# Altium PCB PCB for invertor.PcbDoc (part 2 of 2)
Units mm, origin at the board's own origin, x right, y up, seen from the top; angles counter-clockwise.
Board outline 300 x 145 mm, 2 copper layers (Top Layer, Bottom Layer), stack 1.642 mm thick; 246 components, 87 nets, 780 pads, 936 vias.
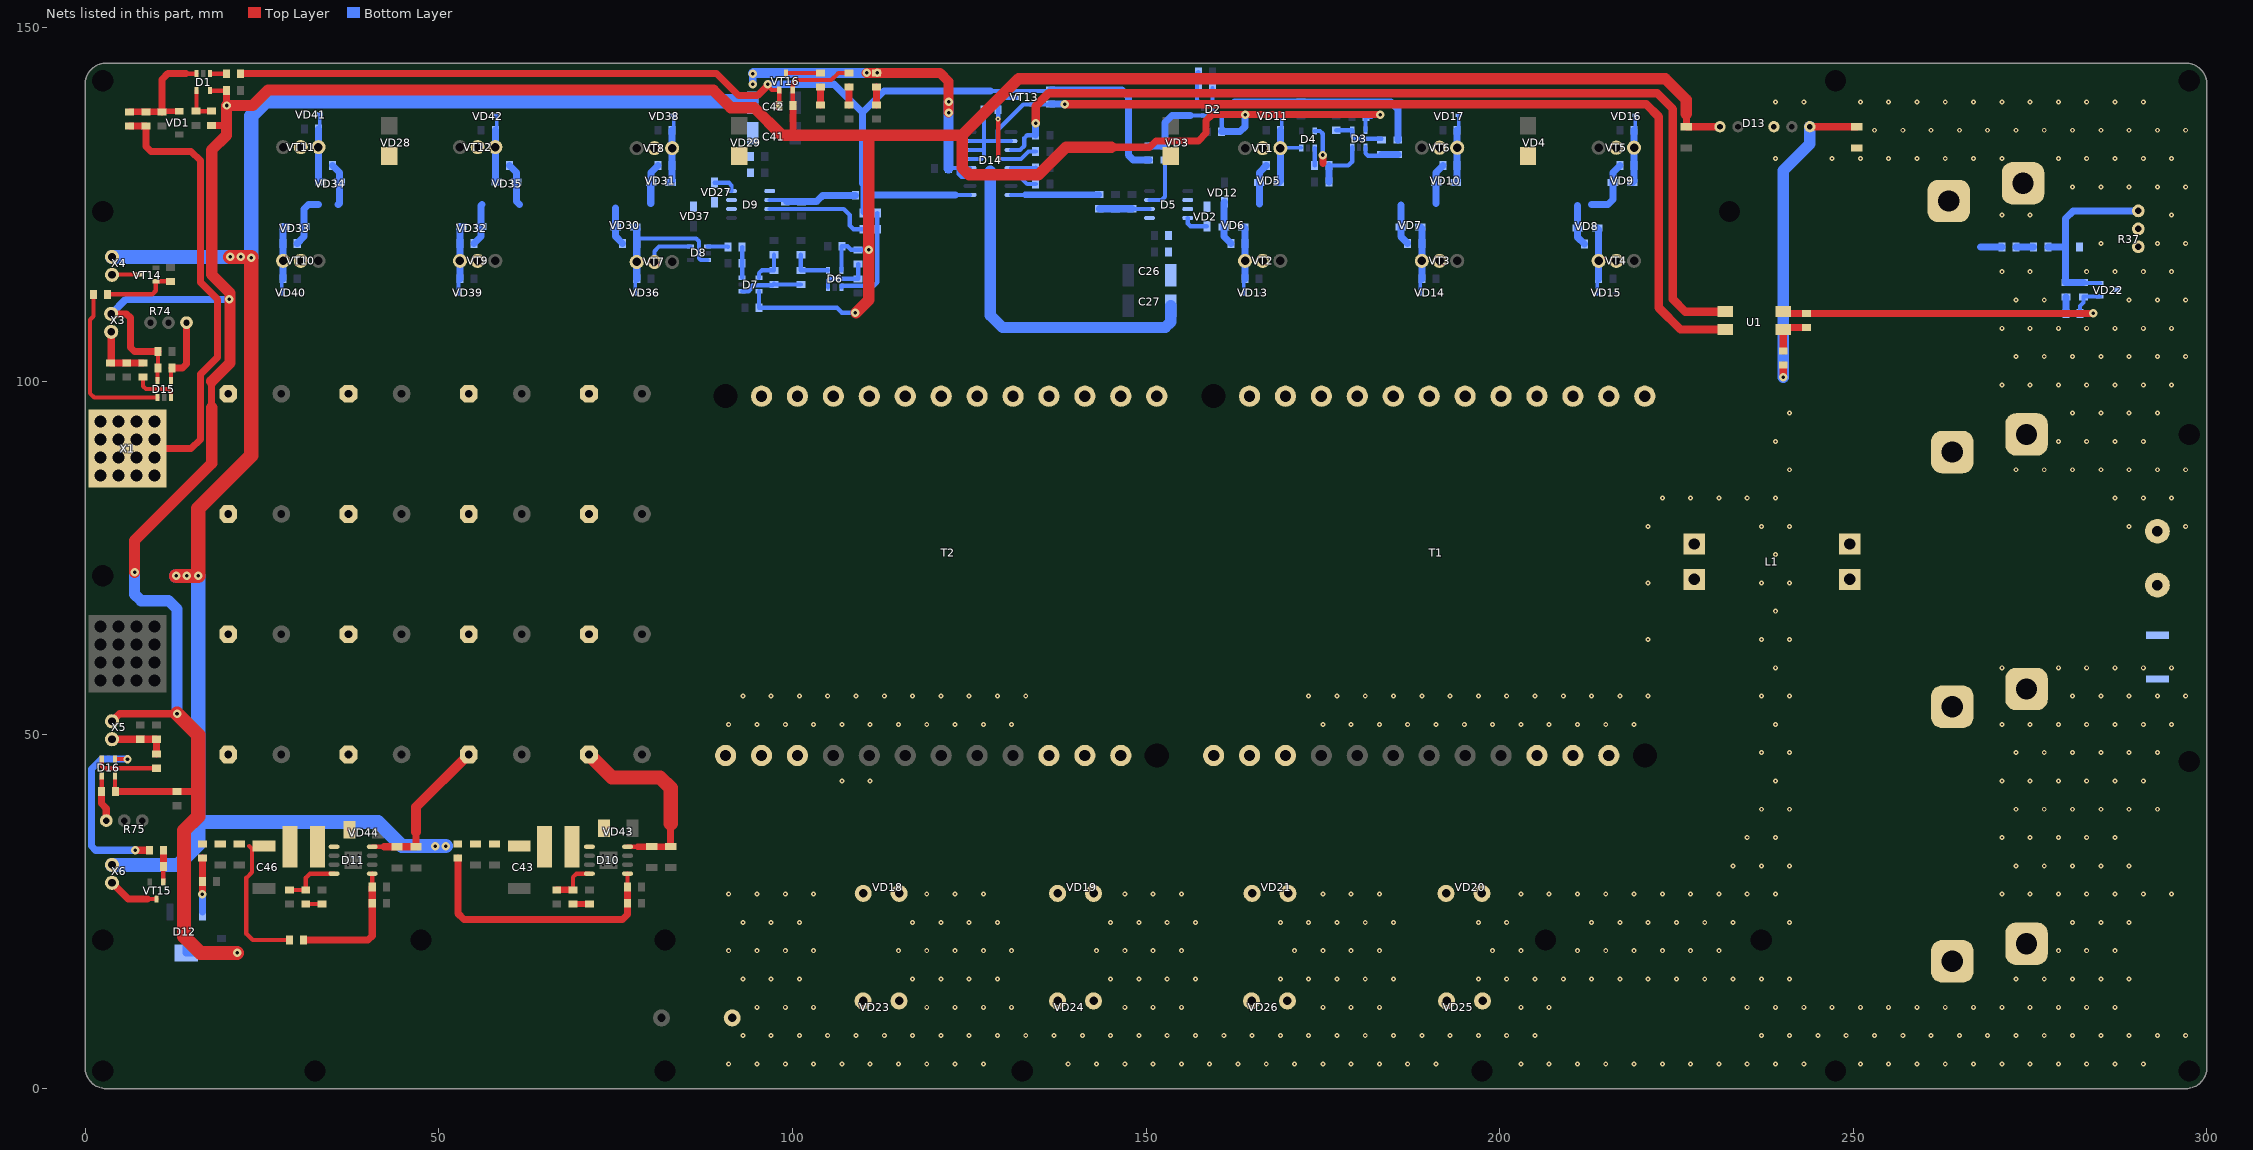
[diagram p2: the nets of this part, all layers, seen from the top]

## Via types
v1: diameter 0.7, hole 0.3, Top Layer to Bottom Layer, tented both sides, 889 vias
v2: diameter 1.2, hole 0.5, Top Layer to Bottom Layer, tented both sides, 47 vias

## Nets (pads, with @x,y where several pads share a name; then routed paths per layer and width w, separated by ;. In a path a pad name is that pad's centre, name@x,y a point inside that pad or via, vN(x,y) a via of type N, cw(c..) or ccw(c..) an arc to the next point about the centre after c; other vN are vias at no path point) (continued)
GND2: C30.2 C31.2 C32.2 C33.2 C61.1 C63.2 D13.4 R36.2 R37.1 R37.2 R83.2 VD22.3 VD23.1 VD24.1 VD25.1 VD26.1 X7.2
  other v1: 91,3.5 95,3.5 99,3.5 103,3.5 107,3.5 111,3.5 115,3.5 119,3.5 123,3.5 127,3.5 139,3.5 143,3.5 147,3.5 151,3.5 155,3.5 159,3.5 163,3.5 167,3.5 171,3.5 175,3.5 179,3.5 183,3.5 187,3.5 191,3.5 203,3.5 207,3.5 211,3.5 215,3.5 219,3.5 223,3.5 227,3.5 231,3.5 235,3.5 239,3.5 243,3.5 251,3.5 255,3.5 259,3.5 263,3.5 267,3.5 271,3.5 275,3.5 279,3.5 283,3.5 287,3.5 291,3.5 93,7.5 97,7.5 101,7.5 105,7.5 109,7.5 113,7.5 117,7.5 121,7.5 125,7.5 129,7.5 133,7.5 137,7.5 141,7.5 145,7.5 149,7.5 153,7.5 157,7.5 161,7.5 165,7.5 169,7.5 173,7.5 177,7.5 181,7.5 185,7.5 189,7.5 193,7.5 197,7.5 201,7.5 205,7.5 237,7.5 241,7.5 245,7.5 249,7.5 253,7.5 257,7.5 261,7.5 265,7.5 269,7.5 273,7.5 277,7.5 281,7.5 285,7.5 289,7.5 293,7.5 297,7.5 95,11.5 99,11.5 103,11.5 119,11.5 123,11.5 127,11.5 131,11.5 147,11.5 151,11.5 155,11.5 175,11.5 179,11.5 183,11.5 203,11.5 207,11.5 235,11.5 239,11.5 243,11.5 247,11.5 251,11.5 255,11.5 259,11.5 263,11.5 267,11.5 271,11.5 275,11.5 279,11.5 283,11.5 287,11.5 93,15.5 97,15.5 101,15.5 117,15.5 121,15.5 125,15.5 129,15.5 145,15.5 149,15.5 153,15.5 157,15.5 169,15.5 173,15.5 177,15.5 181,15.5 185,15.5 197,15.5 201,15.5 205,15.5 209,15.5 213,15.5 217,15.5 221,15.5 225,15.5 229,15.5 233,15.5 237,15.5 241,15.5 273,15.5 277,15.5 281,15.5 285,15.5 289,15.5 91,19.5 95,19.5 99,19.5 103,19.5 115,19.5 119,19.5 123,19.5 127,19.5 131,19.5 143,19.5 147,19.5 151,19.5 155,19.5 171,19.5 175,19.5 179,19.5 183,19.5 199,19.5 203,19.5 211,19.5 215,19.5 219,19.5 223,19.5 227,19.5 231,19.5 279,19.5 283,19.5 287,19.5 93,23.5 97,23.5 101,23.5 117,23.5 121,23.5 125,23.5 129,23.5 145,23.5 149,23.5 153,23.5 157,23.5 169,23.5 173,23.5 177,23.5 181,23.5 185,23.5 197,23.5 201,23.5 213,23.5 217,23.5 221,23.5 225,23.5 229,23.5 233,23.5 241,23.5 281,23.5 285,23.5 289,23.5 91,27.5 95,27.5 99,27.5 103,27.5 119,27.5 123,27.5 127,27.5 147,27.5 151,27.5 155,27.5 175,27.5 179,27.5 183,27.5 203,27.5 207,27.5 211,27.5 215,27.5 219,27.5 223,27.5 227,27.5 231,27.5 235,27.5 239,27.5 271,27.5 275,27.5 279,27.5 283,27.5 287,27.5 291,27.5 295,27.5 233,31.5 237,31.5 241,31.5 273,31.5 277,31.5 281,31.5 285,31.5 289,31.5 235,35.5 239,35.5 271,35.5 275,35.5 279,35.5 283,35.5 287,35.5 237,39.5 241,39.5 273,39.5 277,39.5 281,39.5 285,39.5 289,39.5 293,39.5 107,43.5 111,43.5 239,43.5 271,43.5 275,43.5 279,43.5 283,43.5 287,43.5 291,43.5 237,47.5 241,47.5 273,47.5 277,47.5 281,47.5 285,47.5 289,47.5 293,47.5 91,51.5 95,51.5 99,51.5 103,51.5 107,51.5 111,51.5 115,51.5 119,51.5 123,51.5 127,51.5 131,51.5 175,51.5 179,51.5 183,51.5 187,51.5 191,51.5 195,51.5 199,51.5 203,51.5 207,51.5 211,51.5 215,51.5 219,51.5 239,51.5 271,51.5 275,51.5 279,51.5 283,51.5 287,51.5 291,51.5 295,51.5 93,55.5 97,55.5 101,55.5 105,55.5 109,55.5 113,55.5 117,55.5 121,55.5 125,55.5 129,55.5 133,55.5 173,55.5 177,55.5 181,55.5 185,55.5 189,55.5 193,55.5 197,55.5 201,55.5 205,55.5 209,55.5 213,55.5 217,55.5 221,55.5 237,55.5 241,55.5 281,55.5 285,55.5 289,55.5 293,55.5 297,55.5 239,59.5 271,59.5 279,59.5 283,59.5 287,59.5 291,59.5 295,59.5 221,63.5 237,63.5 241,63.5 239,67.5 221,71.5 237,71.5 241,71.5 239,75.5 221,79.5 237,79.5 241,79.5 289,79.5 297,79.5 223,83.5 227,83.5 231,83.5 235,83.5 239,83.5 287,83.5 291,83.5 295,83.5 241,87.5 273,87.5 277,87.5 281,87.5 285,87.5 289,87.5 293,87.5 297,87.5 239,91.5 279,91.5 283,91.5 287,91.5 291,91.5 241,95.5 281,95.5 285,95.5 289,95.5 293,95.5 271,99.5 275,99.5 279,99.5 283,99.5 287,99.5 291,99.5 295,99.5 273,103.5 277,103.5 281,103.5 285,103.5 289,103.5 293,103.5 297,103.5 271,107.5 275,107.5 279,107.5 283,107.5 287,107.5 291,107.5 295,107.5 273,111.5 277,111.5 289,111.5 293,111.5 297,111.5 271,115.5 275,115.5 283,115.5 287,115.5 291,115.5 295,115.5 285,119.5 293,119.5 297,119.5 271,123.5 275,123.5 295,123.5 281,127.5 285,127.5 289,127.5 293,127.5 297,127.5 239,131.5 247,131.5 251,131.5 255,131.5 259,131.5 263,131.5 267,131.5 271,131.5 279,131.5 283,131.5 287,131.5 291,131.5 295,131.5 253,135.5 257,135.5 261,135.5 265,135.5 269,135.5 273,135.5 277,135.5 281,135.5 285,135.5 289,135.5 293,135.5 297,135.5 239,139.5 243,139.5 251,139.5 255,139.5 259,139.5 263,139.5 267,139.5 271,139.5 275,139.5 279,139.5 283,139.5 287,139.5 291,139.5
NetC1_2: C1.2 D1.3 R2.2 R4.1 VD1.2 | length 17
  Top Layer w0.6: C1.2@6.3,138.1 C1.2@6.4,138.2 ; 14.3,143.5 D1.3@15.75,143.5
  Top Layer w0.8: R4.1@10.9,138.1 10.975,138.175 VD1.2@13.3,138.175
  Top Layer w0.9: C1.2@6.3,138.1 R4.1@10.9,138.1
  Top Layer w1: R4.1@10.9,138.1 10.9,142.7 11.7,143.5 14.3,143.5
NetC19_1: C19.1 D3.3 R9.2 | length 7.9
  Bottom Layer w0.6: R9.2@175.85,130.5 178.6,130.5 179.15,131.05 D3.3@179.15,133.1
  Bottom Layer w1: C19.1@175.85,128.2 R9.2@175.85,130.5
NetC21_1: C21.1 D2.4 R7.2 | length 29.7
  Bottom Layer w0.6: D2.4@160.7,139.5 162.5,139.5
  Bottom Layer w1: 162.5,139.5 C21.1@171.9,139.5 184.6,139.5 185.6,138.5 R7.2@185.6,134.1
NetC23_2: C23.2 D5.2 R22.1 R25.2 | length 7.1
  Bottom Layer w0.6: R25.2@148,124.4 148.035,124.365 D5.2@150.5,124.365
  Bottom Layer w1: R22.1@143.4,124.4 C23.2@145.7,124.4 R25.2@148,124.4
NetC28_1: C28.1 C29.1 R23.2 R36.1 R37.3 VD22.2 | length 27.1
  Bottom Layer w0.6: C29.1@282.6,113.9 VD22.2@284.85,113.9
  Bottom Layer w1: R23.2@277.5,119 R36.1@280,119 ; C29.1@282.55,113.95 C28.1@280.05,113.95 280,114 R36.1@280,119 ; R37.3@290.3,124.1 281.1,124.1 280,123 R36.1@280,119
NetC28_2: C28.2 R32.2 | length 2.4
  Bottom Layer w1: R32.2@280.05,109.6 C28.2@280.05,111.95
NetC29_2: C29.2 R24.1 R32.1 U1.2 VD22.1 | length 50.6
  Top Layer w1: U1.2@240.1,109.87 240.37,109.6 R24.1@243.4,109.6 v2(283.9,109.6)
  Bottom Layer w0.6: R32.1@282.05,109.6 282.05,110.65 282.55,111.15 C29.2@282.55,111.95 282.6,112 VD22.1@284.85,112
  Bottom Layer w1: R32.1@282.05,109.6 v2(283.9,109.6)
NetC34_1: C34.1 D7.3 R38.2 | length 4.4
  Bottom Layer w0.6: D7.3@92.9,114.65 C34.1@92.9,116.7 R38.2@92.9,119
NetC36_1: C36.1 D6.4 R34.2 | length 6.1
  Bottom Layer w0.6: C36.1@101.2,117.9 R34.2@101.2,115.7 D6.4@105.05,115.7
NetC38_2: C38.2 D9.2 R49.1 R50.2 | length 17
  Bottom Layer w0.6: D9.2@96.8,125.635 R50.2@98.965,125.635 ; R50.2@99,125.6 R50.2@98.965,125.635 ; 103.635,125.635 R50.2@98.965,125.635
  Bottom Layer w1: R50.2@99.2,125.4 103.4,125.4 103.635,125.635 104.3,126.3 R49.1@108.9,126.3
NetC46_1: C46.1 C47.2 C48.2 FB1.2 L3.1 R58.1 | length 19.4
  Top Layer w0.6: 23.2,34.3 23.6,33.9 23.6,30.6 22.8,29.8 22.8,21.9 23.7,21 R58.1@28.9,21
NetC49_2: C49.2 D12.3 FB1.1 | length 7.6
  Top Layer w1: v2(16.6,27.5) C49.2@16.6,29.3 FB1.1@16.6,32.6
  Bottom Layer w1: D12.3@16.6,25 v2(16.6,27.5)
NetC53_1: C53.1 R60.2 | length 2.3
  Top Layer w0.9: C53.1@69,26.1 R60.2@71.3,26.1
NetC53_2: C53.2 C57.2 D10.4 | length 6.6
  Top Layer w0.6: C53.2@69,28.1 69,29.9 69.49,30.39 D10.4@71.3,30.39
  Top Layer w0.9: C57.2@66.7,28.1 C53.2@69,28.1
NetC56_1: C56.1 R61.2 | length 2.3
  Top Layer w0.6: C56.1@31.2,26.1 R61.2@33.5,26.1
NetC56_2: C56.2 C58.2 D11.4 | length 8.2
  Top Layer w0.6: C58.2@28.9,28.1 C56.2@31.2,28.1 31.2,29.8 31.79,30.39 D11.4@35.2,30.39
NetC59_2: C59.2 D10.5 R57.2 R59.2 | length 38.3
  Top Layer w0.6: C59.2@76.7,28 C59.2@76.7,28.5 D10.5@76.7,30.39
  Top Layer w1: R57.2@52.7,32.6 52.7,24.8 53.6,23.9 76,23.9 76.7,24.6 R59.2@76.7,26.2 C59.2@76.7,28
NetC62_2: C62.2 D11.5 R58.2 R62.2 | length 18.7
  Top Layer w0.6: C62.2@40.6,28.5 D11.5@40.6,30.39
  Top Layer w1: R58.2@30.9,21 40,21 40.6,21.6 R62.2@40.6,26.2 C62.2@40.6,28.5
NetC64_1: C64.1 D14.4 R76.2 VT13.3 | length 16.6
  Top Layer w0.6: v1(129.1,131.45) v1(129.1,137.1)
  Bottom Layer w0.6: v1(129.1,131.45) 129.112,131.438 D14.4@130.925,131.438 132.338,131.438 133.4,132.5 R76.2@134.4,132.5 ; v1(129.1,137.1) C64.1@129.1,138.4 129.1,139.6 129.6,140.1 VT13.3@131.6,140.1
NetC64_2: C64.2 D14.2 D14.13 D14.14 D14.15 R63.1 U1.4 VT13.2 | length 151.4
  Top Layer w1.2: v2(138.5,139.2) 220.7,139.2 222.5,137.4 222.5,110.4 225.57,107.33 U1.4@231.9,107.33
  Bottom Layer w0.6: D14.13@125.125,131.438 126.738,131.438 127.1,131.8 127.1,132.7 ; D14.14@125.125,132.708 127.092,132.708 127.1,132.7 ; D14.15@125.125,133.978 127.1,133.978 ; C64.2@127.1,138.3 127.1,133.978 ; D14.2@130.925,133.978 129,133.978 ; R63.1@136.5,139.2 136.45,139.15 VT13.2@134,139.15 132.65,139.15 129,135.5 129,133.978 ; 127.1,132.7 127.1,133.978 ; 127.1,133.978 129,133.978
  Bottom Layer w1: R63.1@136.5,139.2 v2(138.5,139.2)
NetC65_2: C65.2 R66.2 R70.2 X3.2 | length 8.9
  Top Layer w1: R70.2@3.6,102.6 C65.2@5.9,102.6 R66.2@8.2,102.6 ; R70.2@3.7,102.7 X3.2@3.7,107
NetC66_2: C66.2 R68.2 R71.2 X5.2 | length 8.4
  Top Layer w1: X5.2@3.8,49.4 R71.2@7.8,49.4 C66.2@10.1,49.4 R68.2@10.1,47.3
NetC70_2: C70.2 D14.5 | length 3.5
  Bottom Layer w0.6: D14.5@130.925,130.168 134.368,130.168 C70.2@134.4,130.2
NetD1_1: D1.1 R3.2 | length 2.4
  Top Layer w0.6: D1.1@17.65,143.5 R3.2@20,143.5
NetD1_4: D1.4 R1.1 R5.1 | length 5.1
  Top Layer w0.6: D1.4@15.75,141.1 15.75,138.25 R5.1@15.7,138.2 R1.1@17.9,138.2
NetD2_1: D2.1 R12.1 R13.2 | length 11.6
  Bottom Layer w0.6: 156.3,137.6 D2.1@158.3,137.6
  Bottom Layer w1: R12.1@150.4,133.3 R13.2@152.7,133.3 152.7,136.6 153.7,137.6 156.3,137.6
NetD2_3: D2.3 R6.1 R11.1 | length 5.3
  Bottom Layer w0.6: R11.1@157.4,143.75 157.2,143.55 157.2,139.8 157.5,139.5 D2.3@158.3,139.5
NetD3_1: D3.1 R7.1 R8.2 | length 5.3
  Bottom Layer w0.6: D3.1@181.05,133.1 181.05,132.25 181.4,131.9 R8.2@183.1,131.9
  Bottom Layer w1: R8.2@183.3,132.1 R7.1@185.6,132.1
NetD3_4: D3.4 R8.1 R10.1 | length 7.4
  Bottom Layer w0.6: R10.1@176.9,135.5 D3.4@179.15,135.5 179.15,134.65 179.5,134.3 R8.1@183.3,134.3
NetD4_1: D4.1 R9.1 | length 2.5
  Bottom Layer w0.6: R9.1@173.85,130.5 D4.1@173.85,133
NetD4_3: D4.3 R16.1 R26.2 VD5.1 VD11.2 VT1.1 | length 12.6
  Bottom Layer w0.5: VT1.1@169,132.969 169.031,133 D4.3@171.95,133 ; R26.2@169,135.5 169.2,135.7 VD11.2@169.2,137.6
  Bottom Layer w1: VD5.1@168.775,128.1 169,128.325 VT1.1@169,132.969 R26.2@169,135.5
NetD4_5: D4.5 T1.1 T2.1 VD3.2 VD4.2 VT1.2 VT2.2 VT3.2 VT4.2 VT5.2 VT6.2 | length 5.5
  Top Layer w1: 175,130.8 v2(175,132)
  Bottom Layer w0.6: D4.5@173.85,135.4 174.6,135.4 175,135 v2(175,132)
NetD5_3: D5.3 R13.1 | length 7.6
  Bottom Layer w0.6: D5.3@150.5,125.635 152.235,125.635 152.7,126.1 R13.1@152.7,131.3
NetD5_6: D5.6 D5.7 R16.2 R17.2 R18.2 R19.2 R20.2 R21.2 VD2.1 VD5.2 VD6.2 VD7.2 VD8.2 VD9.2 VD10.2 VD12.2 | length 38
  Bottom Layer w1: VD12.2@161.1,125.325 161.025,125.25 VD6.2@161.025,121.8 161.025,120.475 R17.2@162,119.5 ; 166.025,125.075 VD5.2@166.025,128.1 166.025,129.525 R16.2@167,130.5 ; 186.025,124.925 VD7.2@186.025,121.8 186.025,120.475 R18.2@187,119.5 ; 191.025,125.175 VD10.2@191.025,128.1 191.025,129.525 R21.2@192,130.5 ; 211.025,124.825 VD8.2@211.025,121.7 211.025,120.375 R19.2@212,119.4 ; 213,125 215.3,125 216.025,125.725 VD9.2@216.025,128.1 216.025,129.525 R20.2@217,130.5
NetD6_1: D6.1 R41.1 R42.2 | length 15.3
  Bottom Layer w0.6: D6.1@106.95,113.3 106.95,113.5 111.5,113.5 112,114 R42.2@112,121.5 R41.1@112,123.8
NetD6_3: D6.3 R33.1 R40.1 | length 7.4
  Bottom Layer w0.6: D6.3@105.05,113.3 105.05,114.25 105.3,114.5 R40.1@109.3,114.5 R33.1@109.3,116.6
NetD7_1: D7.1 R34.1 R35.2 | length 8.9
  Bottom Layer w0.6: D7.1@92.9,112.75 93.85,112.75 94.1,113 94.1,113.3 94.4,113.6 97.2,113.6 R35.2@97.4,113.8 ; R35.2@97.4,113.7 R34.1@101.2,113.7
NetD7_4: D7.4 R35.1 R39.1 | length 5
  Bottom Layer w0.6: D7.4@95.3,114.65 95.3,115.3 95.7,115.7 R35.1@97.4,115.7 ; R35.1@97.4,115.8 R39.1@97.4,117.9
NetD8_1: D8.1 R38.1 | length 2.9
  Bottom Layer w0.6: D8.1@88,119.05 90.85,119.05 R38.1@90.9,119
NetD8_3: D8.3 R43.1 R51.2 VD30.1 VD36.2 VT7.1 | length 22.2
  Bottom Layer w0.5: VD36.2@77.8,112.4 77.8,114.3 R51.2@78,114.5
  Bottom Layer w0.6: 78,120.2 86.4,120.2 86.8,119.8 86.8,117.4 87.05,117.15 D8.3@88,117.15
  Bottom Layer w1: VD30.1@77.775,121.8 78,121.575 78,120.2 R43.1@78,119.5 VT7.1@78,116.881 R51.2@78,114.5
NetD8_5: D8.5 T1.3 T2.3 VD28.2 VD29.2 VT7.2 VT8.2 VT9.2 VT10.2 VT11.2 VT12.2 | length 6.9
  Bottom Layer w0.6: VT7.2@80.5,116.881 80.5,118.4 81.15,119.05 D8.5@85.6,119.05
NetD9_3: D9.3 R42.1 | length 15.3
  Bottom Layer w0.6: D9.3@96.8,124.365 98.158,124.365 98.168,124.375 107.275,124.375 108.125,123.525 108.125,122.025 108.65,121.5 R42.1@110,121.5
NetD9_6: D9.6 D9.7 R43.2 R44.2 R45.2 R46.2 R47.2 R48.2 VD27.1 VD30.2 VD31.2 VD32.2 VD33.2 VD34.2 VD35.2 VD37.2 | length 36.8
  Bottom Layer w1: R46.2@30,119.5 30.975,120.475 VD33.2@30.975,121.9 30.975,124.375 31.6,125 33,125 ; R47.2@35,130.5 35.975,129.525 VD34.2@35.975,128.2 35.975,125.175 35.8,125 ; R45.2@55,119.5 55.975,120.475 VD32.2@55.975,121.9 55.975,124.875 56.1,125 ; R48.2@60,130.5 60.975,129.525 VD35.2@60.975,128.2 60.975,125.425 61.4,125 ; 75.025,124.475 VD30.2@75.025,121.8 75.025,120.475 R43.2@76,119.5 ; 79.975,125.125 VD31.2@79.975,128.2 ; VD31.2@80.025,128.1 80.025,129.525 R44.2@81,130.5
NetD10_1: D10.1 L2.2 VD43.2
NetD11_1: D11.1 L3.2 VD44.2
NetD14_3: D14.3 R78.2 U1.3 | length 135.9
  Top Layer w1.2: v2(134.4,136.5) 134.4,138.9 136.25,140.75 222.25,140.75 224.5,138.5 224.5,111.6 226.23,109.87 U1.3@231.9,109.87
  Bottom Layer w0.6: D14.3@130.925,132.708 132.208,132.708 132.8,133.3 132.8,134.4 133.2,134.8 R78.2@134.4,134.8
  Bottom Layer w1: R78.2@134.4,134.8 v2(134.4,136.5)
NetD14_6: D14.6 R77.2 | length 3.9
  Bottom Layer w0.6: D14.6@130.925,128.898 132.202,128.898 133.2,127.9 R77.2@134.4,127.9
NetD15_1: D15.1 R67.2 | length 24
  Top Layer w0.6: R67.2@1.2,112.3 1.2,109.2 0.7,108.7 0.7,98.3 1.3,97.7 D15.1@10.25,97.7
NetD15_3: D15.3 R66.1 | length 6.4
  Top Layer w0.6: R66.1@8.2,100.6 8.2,99.3 8.6,98.9 11.8,98.9 12.15,98.55 D15.3@12.15,97.7
NetD15_4: D15.4 R64.1 R74.3 | length 9.9
  Top Layer w0.6: D15.4@12.15,100.1 R64.1@12.15,101.85
  Top Layer w1: R64.1@12.3,101.9 13.8,101.9 14.34,102.44 R74.3@14.34,108.3
NetD16_1: D16.1 R69.2 | length 26.8
  Top Layer w0.6: D16.1@4.25,46.6 v2(6,46.6)
  Top Layer w1: v2(7.1,33.7) R69.2@9.1,33.7
  Bottom Layer w1: v2(6,46.6) 2.3,46.6 0.9,45.2 0.9,34.3 1.5,33.7 v2(7.1,33.7)
NetD16_3: D16.3 R68.1 | length 8.8
  Top Layer w0.6: D16.3@2.35,46.6 2.35,45.65 2.7,45.3 R68.1@10.1,45.3
NetD16_4: D16.4 R65.1 R75.3 | length 6.6
  Top Layer w0.6: R65.1@2.3,42 2.35,42.05 D16.4@2.35,44.2
  Top Layer w1: R65.1@2.3,42 2.3,40.3 3,39.6 R75.3@3,37.9
NetL1_1: L1.1 VD18.2 VD19.2 VD20.2 VD21.2
NetR14_2: R14.2 R23.1 | length 2.5
  Bottom Layer w1: R14.2@273,119 R23.1@275.5,119
NetR15_1: R15.1 R24.2 U1.1@240.1,107.33 | length 6.4
  Top Layer w1: R15.1@240.1,104.3 U1.1@240.1,107.33 240.37,107.6 R24.2@243.4,107.6
NetR17_1: R17.1 R27.2 VD6.1 VD13.2 VT2.1 | length 9.6
  Bottom Layer w0.5: VD13.2@163.8,112.4 163.8,114.3 R27.2@164,114.5
  Bottom Layer w1: VD6.1@163.775,121.8 164,121.575 VT2.1@164,117.031 R27.2@164,114.5
NetR18_1: R18.1 R28.2 VD7.1 VD14.2 VT3.1 | length 9.6
  Bottom Layer w0.5: VD14.2@188.8,112.4 188.8,114.3 R28.2@189,114.5
  Bottom Layer w1: VD7.1@188.775,121.8 189,121.575 VT3.1@189,117.031 R28.2@189,114.5
NetR19_1: R19.1 R29.2 VD8.1 VD15.2 VT4.1 | length 9.5
  Bottom Layer w0.5: VD15.2@213.8,112.4 213.8,114.3 R29.2@214,114.5
  Bottom Layer w1: VD8.1@213.775,121.7 214,121.475 VT4.1@214,117.031 R29.2@214,114.5
NetR20_1: R20.1 R30.2 VD9.1 VD16.2 VT5.1 | length 9.7
  Bottom Layer w0.5: R30.2@219,135.5 219.2,135.7 VD16.2@219.2,137.6
  Bottom Layer w1: VD9.1@218.775,128.1 219,128.325 VT5.1@219,133.031 R30.2@219,135.5
NetR21_1: R21.1 R31.2 VD10.1 VD17.2 VT6.1 | length 9.7
  Bottom Layer w0.5: R31.2@194,135.5 194.2,135.7 VD17.2@194.2,137.6
  Bottom Layer w1: VD10.1@193.775,128.1 194,128.325 R21.1@194,130.5 VT6.1@194,133.031 R31.2@194,135.5
NetR44_1: R44.1 R52.2 VD31.1 VD38.2 VT8.1 | length 9.7
  Bottom Layer w0.5: R52.2@83,135.5 83.2,135.7 VD38.2@83.2,137.6
  Bottom Layer w1: VD31.1@82.775,128.1 83,128.325 VT8.1@83,132.969 R52.2@83,135.5
NetR45_1: R45.1 R53.2 VD32.1 VD39.2 VT9.1 | length 9.7
  Bottom Layer w0.5: VD39.2@52.8,112.4 52.8,114.3 R53.2@53,114.5
  Bottom Layer w1: R53.2@53,114.5 VT9.1@53,117.031 R45.1@53,119.5 53,121.675 VD32.1@53.225,121.9
NetR46_1: R46.1 R54.2 VD33.1 VD40.2 VT10.1 | length 9.7
  Bottom Layer w0.5: VD40.2@27.8,112.4 27.8,114.3 R54.2@28,114.5
  Bottom Layer w1: R54.2@28,114.5 VT10.1@28,117.031 R46.1@28,119.5 28,121.675 VD33.1@28.225,121.9
NetR47_1: R47.1 R55.2 VD34.1 VD41.2 VT11.1 | length 9.8
  Bottom Layer w0.5: R55.2@33,135.7 33.2,135.9 VD41.2@33.2,137.8 ; VD34.1@33.025,128.4 VD34.1@33.225,128.2
  Bottom Layer w1: R55.2@33,135.7 VT11.1@33,133.119 R47.1@33,130.5 33,128.425 VD34.1@33.025,128.4
NetR48_1: R48.1 R56.2 VD35.1 VD42.2 VT12.1 | length 9.6
  Bottom Layer w0.5: R56.2@58,135.5 58.2,135.7 VD42.2@58.2,137.6
  Bottom Layer w1: R56.2@58,135.5 VT12.1@58,133.119 58,128.425 VD35.1@58.225,128.2
NetR67_1: R67.1 R72.2 VT14.1 | length 10.5
  Top Layer w0.6: R67.1@3.2,112.3 9.5,112.3 10,112.8 VT14.1@10,114.15 11.95,114.15 R72.2@12.1,114
NetR69_1: R69.1 R73.2 VT15.1 | length 4.5
  Top Layer w0.6: VT15.1@11.05,29.2 11.05,31.35 R73.2@11.1,31.4
  Top Layer w1: R73.2@11.1,31.4 R69.1@11.1,33.7
NetR80_1: R80.1 VD45.2 | length 2.5
  Top Layer w1: R80.1@104,139.1 VD45.2@104,141.6
NetR81_1: R81.1 VD46.2 | length 2.5
  Top Layer w1: R81.1@108,139.1 VD46.2@108,141.6
NetR82_1: R82.1 VD47.2 | length 2.5
  Top Layer w1: R82.1@111.9,139.1 VD47.2@111.9,141.6
NetT1_4: T1.4 T2.6
NetT1_6: T1.6 VD20.1 VD21.1 VD25.2 VD26.2
NetT2_4: T2.4 VD18.1 VD19.1 VD23.2 VD24.2
NetVD45_1: VD45.1 VT16.3 | length 4.9
  Top Layer w0.6: VT16.3@99.1,143.6 VD45.1@104,143.6
NetVT14_2: VT14.2 X4.2 | length 3.8
  Top Layer w0.6: X4.2@3.8,115.06 3.84,115.1 VT14.2@7.6,115.1
NetVT15_2: VT15.2 X6.2 | length 7.3
  Top Layer w0.6: 8.8,26.8 VT15.2@10.1,26.8
  Top Layer w1: X6.2@3.8,29.1 6.1,26.8 8.8,26.8
PWM_CH1: D14.8 R22.2 | length 12.4
  Bottom Layer w0.6: D14.8@130.925,126.358 132.942,126.358
  Bottom Layer w0.9: 132.942,126.358 R22.2@143.358,126.358
PWM_CH2: D14.9 R49.2 | length 14.3
  Bottom Layer w0.6: 123.058,126.358 D14.9@125.125,126.358
  Bottom Layer w1: R49.2@110.9,126.3 110.9,126.358 123.058,126.358
PWM_EN: R3.1 R12.2 R41.2 R63.2 R79.2 VT13.1 VT16.1 | length 160.8
  Top Layer w0.6: v2(96.5,142) 96.5,141.8 97.1,141.2 VT16.1@98.15,141.2 98.15,139.05 R79.2@98.1,139
  Top Layer w1: R3.1@22,143.5 89.3,143.5 92.4,140.4 95.1,140.4 v2@96.5,141.8
  Bottom Layer w0.6: 109.9,128 109.9,123.9 R41.2@110,123.8 ; 128,141.05 VT13.1@134,141.05 136.35,141.05 R63.2@136.5,141.2
  Bottom Layer w1: v2(96.5,142) 105.9,142 109.9,138 ; 109.9,128 109.9,138 ; 128,141.05 112.95,141.05 109.9,138 ; R63.2@136.5,141.2 146.6,141.2 147.5,140.3 147.5,132 148.2,131.3 R12.2@150.4,131.3
VCC_5V: C18.2 C20.2 C22.2 C35.2 C37.2 C50.2 C60.2 C67.2 C68.2 D1.5 D2.5 D3.5 D6.5 D7.5 D12.2 D12.4 D13.1 D15.5 D16.5 R1.2 R6.2 R33.2 R64.2 R65.2 R79.1 VD46.1 VT16.2 X3.1 X5.1 | length 592.2
  Top Layer w0.6: D16.5@4.25,44.2 4.25,42.05 R65.2@4.3,42 ; D15.5@10.25,100.1 R64.2@10.25,101.95 ; R64.2@10.3,101.9 C67.2@10.3,104.2 ; D1.5@17.65,141.1 C18.2@20,141.1 ; R79.1@100.1,139 100.05,139.05 VT16.2@100.05,141.2 100.05,142.15 100.5,142.6 105.5,142.6 106.5,143.6 VD46.1@108,143.6
  Top Layer w1: X3.1@3.7,109.54 5.86,109.54 6.4,109 6.4,104.8 7,104.2 C67.2@10.3,104.2 ; X5.1@3.8,51.94 4.86,53 v2(13,53) ; R65.2@4.3,42 C68.2@12.5,42 ; C68.2@13,42 16,42 ; 17.9,96.3 17.9,100 ; R1.2@17.9,136.2 19.5,136.2 20,136.7 v2(20,139) C18.2@20,141.1 ; 100.1,134.8 R79.1@100.1,139 ; 145.1,133.1 150.5,133.1 151.4,134 157.4,134 158.5,135.1 158.5,136.9 159.3,137.7 v2(164,137.7) v2(183.1,137.7) ; 226.4,137.8 C60.2@226.4,136 D13.1@231.15,136
  Top Layer w1.6: v2(7,73) 7,77.5 17.9,88.4 17.9,96.3 ; 17.9,100 20.5,102.6 20.5,112.5 17.9,115.1 17.9,132.7 20,134.8 v2(20,139) 23.7,139 25.9,141.2 88.8,141.2 91.3,138.7 94.6,138.7 98.5,134.8 100.1,134.8 110.8,134.8 ; v2@109,109.7 110.8,111.5 v2(110.8,118.6) 110.8,134.8 ; 145.1,133.1 138.7,133.1 134.8,129.2 125,129.2 124,130.2 124,134.8 ; 226.4,137.8 226.4,139.8 223.4,142.8 132,142.8 124,134.8 ; 110.8,134.8 124,134.8
  Top Layer w2: v2(13,53) 16,50 16,42 16,38.5 14,36.5 14,21.5 16.3,19.2 v2(21.5,19.2)
  Bottom Layer w0.6: D7.5@95.3,112.75 C37.2@95.3,110.4 106.3,110.4 107,109.7 v2(108.9,109.7) ; D6.5@106.95,115.7 106.95,119.05 C35.2@107,119.1 107.8,119.1 108.3,118.6 R33.2@109.3,118.6 v2(110.8,118.6) ; R6.2@159.4,141.45 159.4,137.9 159.7,137.6 D2.5@160.7,137.6 C20.2@160.7,135.3 ; D3.5@181.05,135.5 181.05,137.35 C22.2@181.1,137.4 181.9,137.4 182.2,137.7 v2(183.1,137.7)
  Bottom Layer w1: X3.1@3.7,109.54 5.76,111.6 v2(20.4,111.6) ; D12.2@14.3,25 D12.4@14.3,19.2 C50.2@19.3,19.2 v2(21.5,19.2) ; C20.2@160.7,135.3 163.3,135.3 164,136 v2(164,137.7)
  Bottom Layer w1.6: v2(7,73) 7,69.9 7.9,69 11.8,69 13,67.8 v2(13,53)
VCC_12V: C24.2 C25.2 C26.1 C27.1 C39.2 C40.2 C41.1 C42.1 C43.1 C44.2 C45.2 C69.2 D5.1 D5.8 D9.1 D9.8 D14.11 D14.12 L2.1 R57.1 VD2.2 VD27.2 VD47.1 X4.1 X6.1 | length 363.6
  Top Layer w1.4: v2(110.5,143.6) VD47.1@111.9,143.6 v2(112,143.6) 120.9,143.6 122.1,142.4 v2(122.1,139.5) v2(122.1,138)
  Top Layer w2: v2(12.9,72.5) v2(14.4,72.5) v2(16,72.5) 16,82 23.5,89.5 v2(23.5,117.5) 23.5,117.6 v2(22,117.6) v2(20.5,117.6)
  Bottom Layer w0.6: VD27.2@89,128.075 91.025,128.075 91.4,127.7 D9.8@91.4,126.905 ; C69.2@122.1,130.1 122.168,130.168 123.5,130.168 ; D14.11@125.125,128.898 123.902,128.898 123.5,129.3 123.5,130.168 ; D14.12@125.125,130.168 123.5,130.168 ; D5.8@155.9,123.095 155.9,122.3 156.275,121.925 VD2.2@158.6,121.925
  Bottom Layer w1: v2(94.4,142) v2(94.4,143.5)
  Bottom Layer w1.4: C42.1@94.2,139.6 C42.1@94.4,139.4 ; v2(94.4,143.5) 94.5,143.6 v2(110.5,143.6) v2(112,143.6) ; C69.2@122.1,130.1 v2(122.1,138) v2(122.1,139.5)
  Bottom Layer w1.6: 128,129.7 128,109.3 129.7,107.6 152.7,107.6 153.5,108.4 C27.1@153.5,110.7
  Bottom Layer w2: X6.1@3.8,31.64 13.14,31.64 16,34.5 16,37.7 ; X4.1@3.8,117.6 23.5,117.6 23.5,137.5 25.6,139.6 C42.1@94.2,139.6 ; v2(12.9,72.5) v2(14.4,72.5) v2(16,72.5) 16,37.7 ; v2(51,34.3) v2(49.5,34.3) 44.8,34.3 41.4,37.7 16,37.7
VCC_IN: C1.1 C2.1 C3.1 C4.1 C5.1 C6.1 C7.1 C8.1 C9.1 C10.1 C11.1 C12.1 C13.1 C14.1 C15.1 C16.1 C17.1 C51.2 C52.2 C54.2 C55.2 D10.8 D11.8 R2.1 T1.2 T2.2 X1.1 | length 121.9
  Top Layer w0.6: D11.8@40.6,34.2 42.3,34.2 ; D10.8@76.65,34.205 78.155,34.205
  Top Layer w0.9: 78.155,34.205 C52.2@82.995,34.205 ; C52.2@82.995,34.255 C52.2@83,34.25
  Top Layer w1: X1.1@1.7,94.8 X1.1@2.19,94.31 X1.1@4.73,91.77 X1.1@6,90.5 15,90.5 16.3,91.8 16.3,101 18.7,103.4 18.7,111.6 16.3,114 16.3,131.2 15,132.5 9.3,132.5 8.6,133.2 R2.1@8.6,136.1 C1.1@6.3,136.1 ; 42.3,34.2 C55.2@46.8,34.2 46.8,36.3 ; C52.2@82.8,34.3 82.8,37
  Top Layer w1.4: 46.8,36.3 46.8,39.8 C16.1@54.25,47.25
  Top Layer w2: C17.1@71.25,47.25 74.5,44 81.3,44 82.8,42.5 82.8,37.5
VCCH_5V: C61.2 D13.6 R15.2 | length 45.3
  Top Layer w1: v2(240.1,100.6) R15.2@240.1,102.3 ; D13.6@243.85,136 C61.2@250.5,136
  Bottom Layer w1.6: v2(240.1,100.6) 240.1,129.8 243.85,133.55 D13.6@243.85,136
VCCH_380V: C30.1 C31.1 C32.1 C33.1 L1.2 R14.1 R83.1 X7.1 | length 3
  Bottom Layer w1: 268,119 R14.1@271,119
pads on no net: C26. C27. C41. C42. C43. C46. D1. D2. D3. D4. D4.2 D5.28 D6. D7. D8. D8.2 D9.28 D10.2 D10.6 D10.28 D11.2 D11.6 D11.28 D12. D13. D13.5 D14.10@130.9,136.2 D14.25 D15. D16. R37.4 R74.4 R75.4 T1. T1.5 T2. T2.5 U1.1@238.1,106.9 VD1.4 VD2. VD3. VD4. VD5. VD6. VD7. VD8. VD9. VD10. VD11.5 VD12. VD13.5 VD14.5 VD15.5 VD16.5 VD17.5 VD18.6 VD19.6 VD20.6 VD21.6 VD22. VD23.6 VD24.6 VD25.6 VD26.6 VD27. VD28. VD29. VD30. VD31. VD32. VD33. VD34. VD35. VD36.5 VD37. VD38.5 VD39.5 VD40.5 VD41.5 VD42.5 VD43. VD44. VT13. VT14. VT15. VT16. X3. X4. X5. X6.

## Polygon pours and split planes (outlines as drawn)
GND on Bottom Layer "Bottom Layer-GND" (solid, remove dead copper, pour order 42): 85,0 85,60 217.5,60 217.5,87.5 235,87.5 235,145 0,145 0,0
GND2 on Bottom Layer "Bottom Layer-GND2" (solid, remove dead copper, pour order 36): 87.5,0 87.5,57.5 220,57.5 220,85 237.5,85 237.5,145 300,145 300,0
GND on Top Layer "Top Layer-GND" (solid, remove dead copper, pour order 40): 85,0 85,60 217.5,60 217.5,87.5 235,87.5 235,145 0,145 0,0
GND2 on Top Layer "Top Layer-GND2" (solid, remove dead copper, pour order 38): 87.5,0 87.5,57.5 220,57.5 220,85 237.5,85 237.5,145 300,145 300,0

## Other copper
Top Layer:
  region net NetC46_1: 28.3,33.5 16.1,33.5 16,33.6 16,35.1 16.1,35.2 28.3,35.2
  region net NetD11_1: 33.7,33.9 37.9,33.9 38.2,34.2 38.2,37.1 33.7,37.1
  region net NetD8_5: 107.7,96.5 107.7,95 109.2,93.5 161.5,93.5 162.5,94.5 162.5,98.5 163.5,99.5 175.5,99.5 176.5,98.5 176.5,79.5 174.5,77.5 95,77.5 93,79.5 93,96.5
  region net NetD4_5: 215.5,116.881 215.5,117.881 214.5,118.881 193.5,118.881 192.5,117.881 192.5,116.881 190.5,116.881 190.5,117.881 189.5,118.881 168.5,118.881 167.5,117.881 167.5,116.881 165.5,116.881 165.5,117.881 164.5,118.881 159.5,118.881 159.5,124.881 217.5,124.881 217.5,116.881
  region net NetD4_5: 215.5,133.031 215.5,132.031 214.5,131.031 193.5,131.031 192.5,132.031 192.5,133.031 190.5,133.031 190.5,132.031 189.5,131.031 168.5,131.031 167.5,132.031 167.5,133.031 165.5,133.031 165.5,132.031 164.5,131.031 159.5,131.031 159.5,124.881 217.5,124.881 217.5,133.031
  region net NetD4_5: 159.5,118.881 156,118.881 154,116.881 154,97.5 152.5,96 141,96 139.5,97.5 139.5,129.881 140.65,131.031 159.5,131.031
  region net NetD4_5: 215.5,116.912 215.5,115.912 214.5,114.912 193.5,114.912 192.5,115.912 192.5,116.912 190.5,116.912 190.5,115.912 189.5,114.912 168.5,114.912 167.5,115.912 167.5,116.912 165.5,116.912 165.5,115.912 164.5,114.912 153.5,114.912 153.5,108.912 217.5,108.912 217.5,116.912
  region net NetD4_5: 160.5,118.881 159.5,117.881 159.5,115.881 160.5,114.881 154,114.881 154,118.881
  region net NetD8_5: 86.5,119 87.5,118 87.5,116 86.5,115 93,115 93,119
  region net NetD8_5: 31.5,117.031 31.5,116.031 32.5,115.031 53.5,115.031 54.5,116.031 54.5,117.031 56.5,117.031 56.5,116.031 57.5,115.031 78.5,115.031 79.5,116.031 79.5,117.031 81.5,117.031 81.5,116.031 82.5,115.031 93.5,115.031 93.5,109.031 29.5,109.031 29.5,117.031
  region net NetD8_5: 87.5,119 91,119 93,117 93,96.5 94,95.5 107,95.5 107.7,96.2 107.7,129.8 106.35,131.15 87.5,131.15
  region net NetD8_5: 31.5,133.15 31.5,132.15 32.5,131.15 53.5,131.15 54.5,132.15 54.5,133.15 56.5,133.15 56.5,132.15 57.5,131.15 78.5,131.15 79.5,132.15 79.5,133.15 81.5,133.15 81.5,132.15 82.5,131.15 87.5,131.15 87.5,125 29.5,125 29.5,133.15
  region net NetD8_5: 31.5,117 31.5,118 32.5,119 53.5,119 54.5,118 54.5,117 56.5,117 56.5,118 57.5,119 78.5,119 79.5,118 79.5,117 81.5,117 81.5,118 82.5,119 87.5,119 87.5,125 29.5,125 29.5,117
  pour cut-out: 235,85 235,145 237.5,145 237.5,85
  pour cut-out: 220,57.5 220,87.5 217.5,87.5 217.5,57.5
  pour cut-out: 85,40 87.5,40 87.5,60 85,60 85,42.5
  pour cut-out: 85,0 85,42.5 87.5,42.5 87.5,0
  region net NetL1_1: 116.3,27.5 116.3,29.5 117.3,30.5 140.4,30.5 141.4,29.5 141.4,27.5 143.8,27.5 143.8,29.5 144.8,30.5 167.9,30.5 168.9,29.5 168.9,27.5 171.3,27.5 171.3,29.5 172.3,30.5 195.3,30.5 196.3,29.5 196.3,27.5 198.7,27.5 198.7,29.5 199.7,30.5 199.7,42.5 115.4,42.5 113.9,41 113.9,27.5
  region net NetL1_1: 199.7,42.5 221,42.5 223.5,45 223.5,78.5 225,80 233.5,80 235,78.5 235,37.5 228,30.5 199.7,30.5
  pour cut-out: 85,57.5 220,57.5 220,60 85,60
  pour cut-out: 217.5,85 237.5,85 237.5,87.5 217.5,87.5
  region net NetD4_5: 211.5,119 211.5,114.5 196.5,114.5 196.5,119
  region net NetD4_5: 186.5,119 186.5,114.5 171.5,114.5 171.5,119
  region net NetD8_5: 50.5,119 50.5,114.5 35.5,114.5 35.5,119
  region net NetD8_5: 75.5,119 75.5,114.5 60.5,114.5 60.5,119
  region net NetD4_5: 217.5,109 222.5,104 222.5,96 221.5,95 209,95 208,96 208,100.5 207,101.5 153.5,101.5 146,109
  region net NetD10_1: 69.5,33.9 73.9,33.9 74.2,34.2 74.2,37.1 69.5,37.1
  region net VCC_12V: 64.95,33.5 49,33.5 48.8,33.7 48.8,35 49,35.2 64.95,35.2
  pour cut-out: 250.5,145.5 250.5,139.5 244.5,139.5 244.5,145.5
  pour cut-out: 300.5,145.5 300.5,139.5 294.5,139.5 294.5,145.5
  pour cut-out: 300.5,95.5 300.5,89.5 294.5,89.5 294.5,95.5
  pour cut-out: 300.5,49.25 300.5,43.25 294.5,43.25 294.5,49.25
  pour cut-out: 300.5,5.5 300.5,-0.5 294.5,-0.5 294.5,5.5
  pour cut-out: 250.5,5.5 250.5,-0.5 244.5,-0.5 244.5,5.5
  pour cut-out: 200.5,5.5 200.5,-0.5 194.5,-0.5 194.5,5.5
  pour cut-out: 135.5,5.5 135.5,-0.5 129.5,-0.5 129.5,5.5
  pour cut-out: 85,5.5 85,-0.5 79,-0.5 79,5.5
  pour cut-out: 35.5,5.5 35.5,-0.5 29.5,-0.5 29.5,5.5
  pour cut-out: 5.5,5.5 5.5,-0.5 -0.5,-0.5 -0.5,5.5
  pour cut-out: 5.5,75.5 5.5,69.5 -0.5,69.5 -0.5,75.5
  pour cut-out: 5.5,127 5.5,121 -0.5,121 -0.5,127
  pour cut-out: 5.5,145.5 5.5,139.5 -0.5,139.5 -0.5,145.5
  pour cut-out: 5.5,24 5.5,18 -0.5,18 -0.5,24
  pour cut-out: 50.5,24 50.5,18 44.5,18 44.5,24
  pour cut-out: 85,24 85,18 79,18 79,24
  pour cut-out: 209.5,24 209.5,18 203.5,18 203.5,24
  pour cut-out: 240,24 240,18 234,18 234,24
Bottom Layer:
  region net GND: 91.6,118 91.6,117.925 91.525,117.85 91.6,117.775 91.6,117.225 91.8,117.225 92.2,117.625 92.2,118
  region net VCC_IN: 81.5,94.5 81.5,101.5 87.5,101.5 87.5,94.5
  region net VCC_IN: 75,79 81.5,79 82.5,80 82.5,84 138,84 138,73 132.5,67.5 75,67.5
  region net VCC_IN: 109,95 75,95 75,84 138,84 138,95
  region net VCC_IN: 65,42.5 65,101 76,101 76,42.5
  region net VCC_IN: 47.5,42.5 47.5,101 59,101 59,42.5
  region net VCC_IN: 30.5,42.5 30.5,101 42,101 42,42.5
  region net VCC_IN: 19,40 75,40 76,41 76,45 19,45
  region net VCC_IN: 24,83.5 73.5,83.5 75,85 75,93 72,96 24,96
  region net VCC_IN: 24,66.5 73.5,66.5 75,68 75,76 72.5,78.5 24,78.5
  region net VCC_IN: 24,49.5 73.5,49.5 75,51 75,59 72.5,61.5 24,61.5
  region net VCC_IN: 12.5,78.5 17.5,73.5 17.5,41.5 19,40 25,40 25,101 12.5,101
  region net VCC_IN: 0.5,104.5 1.5,105.5 87.5,105.5 87.5,101 17.5,101 16,99.5 16,75 1.5,75 0.5,76
  region net VCCH_380V: 290,75 282.5,82.5 264,82.5 264,75
  region net VCCH_380V: 264,62.5 296.5,62.5 297.5,63.5 297.5,74 296.5,75 264,75
  region net VCCH_380V: 268.5,15.5 267,14 244,14 242.5,15.5 242.5,128.5 244,130 267,130 268.5,128.5
  region net NetT1_6: 187.5,28 185,30.5 187.5,30.5
  region net NetT1_6: 167.5,28.5 169.5,30.5 167.5,30.5
  region net NetT1_6: 187.5,30.5 187.5,10.5 188.5,9.5 194,9.5 195,10.5 195,30.5
  region net NetT1_6: 160,30.5 160,10.5 161,9.5 166.5,9.5 167.5,10.5 167.5,30.5
  region net NetT2_4: 132.5,11 133.5,10 139,10 140,11 140,30.5 132.5,30.5
  region net NetT2_4: 105,11 106,10 111.5,10 112.5,11 112.5,30.5 105,30.5
  region net VCC_IN: 0.5,96 0.5,85 11.5,85 11.5,96
  region net GND: 0.5,67 0.5,56 11.5,56 11.5,67
  region net NetT2_4: 91,30 88.5,32.5 88.5,48 90,49.5 101,49.5 102.5,48 102.5,41 104,39.5 138,39.5 140,37.5 140,30
  region net NetT2_4: 105,27.5 102,30.5 105,30.5
  region net NetT2_4: 132.5,27.5 129.5,30.5 132.5,30.5
  region net NetT1_6: 204.5,49.5 203,48 203,41.5 201.5,40 161,40 160,39 160,30.5 215,30.5 217.5,33 217.5,48 216,49.5
  region net NetT1_4: 135,44.5 134,45.5 134,54 135,55 170.5,55 171.5,54 171.5,45.5 170.5,44.5 155,44.5 154,45.5 154,48.5 153,49.5 150,49.5 149,48.5 149,45.5 148,44.5
  region net NetD9_6: 88.1,126 92.2,126 92.3,125.9 92.3,124.1 92.2,124 88.1,124
  region net VCC_12V: 91.7,126.6 96.5,126.6 96.5,127.2 91.7,127.2
  region net VCC_12V: 93.6,129.4 93.6,128.4 92.4,127.2 94.2,127.2 94.2,129.4
  region net VCC_12V: 94.6,129.4 94.6,128.4 95.8,127.2 94.2,127.2 94.2,129.4
  region net VCC_12V: 93.6,130 93.6,144.3 95.2,144.3 95.2,133 94.6,132.4 94.6,130
  region net NetD9_6: 89.5,126 89,126.5 32.5,126.5 32.5,123.4 88.9,123.4 89.5,124
  region net NetD9_6: 32,124.5 32,123.9 32.5,123.4 32.5,124.5
  region net NetD9_6: 32,125.4 32,126 32.5,126.5 32.5,125.4
  region net NetD5_6: 155,125.9 155.1,126 214.5,126 214.5,124 155.1,124 155,124.1
  region net NetD5_6: 214.5,126 215,125.5 214.5,125.5
  region net NetD5_6: 214.5,124 215,124.5 214.5,124.5
  region net VCC_12V: 152.7,120.2 152.7,109 154.3,109 154.3,117 153.7,117.6 153.7,120.2
  region net VCC_12V: 153.7,120.6 153.7,121.6 154.9,122.8 153.3,122.8 153.3,120.6
  region net VCC_12V: 152.7,120.6 152.7,121.6 151.5,122.8 153.3,122.8 153.3,120.6
  region net VCC_12V: 150.8,123.4 155.6,123.4 155.6,122.8 150.8,122.8
  pour cut-out: 85,0 85,42.5 87.5,42.5 87.5,0
  pour cut-out: 85,40 87.5,40 87.5,60 85,60 85,42.5
  pour cut-out: 85,57.5 220,57.5 220,60 85,60
  pour cut-out: 220,57.5 220,87.5 217.5,87.5 217.5,57.5
  pour cut-out: 217.5,85 237.5,85 237.5,87.5 217.5,87.5
  pour cut-out: 235,85 235,145 237.5,145 237.5,85
  region net VCC_12V: 93.6,144.3 93.8,144.5 95,144.5 95.2,144.3
  region net VCC_IN: 176.5,95 177.5,96 177.5,99 178.5,100 206.5,100 207.5,99 207.5,71.5 203.5,67.5 131.5,67.5 131.5,95
  region net VCC_12V: 128.8,130.5 121.4,130.5 121.4,128.9 121.7,128.6 128.8,128.6
  region net VCC_IN: 138.5,94.5 138.5,99.5 137.5,100.5 109.5,100.5 108.5,99.5 108.5,94.5
  pour cut-out: 5.5,145.5 5.5,139.5 -0.5,139.5 -0.5,145.5
  pour cut-out: 5.5,127 5.5,121 -0.5,121 -0.5,127
  pour cut-out: 5.5,75.5 5.5,69.5 -0.5,69.5 -0.5,75.5
  pour cut-out: 5.5,5.5 5.5,-0.5 -0.5,-0.5 -0.5,5.5
  pour cut-out: 35.5,5.5 35.5,-0.5 29.5,-0.5 29.5,5.5
  pour cut-out: 85,5.5 85,-0.5 79,-0.5 79,5.5
  pour cut-out: 135.5,5.5 135.5,-0.5 129.5,-0.5 129.5,5.5
  pour cut-out: 200.5,5.5 200.5,-0.5 194.5,-0.5 194.5,5.5
  pour cut-out: 200.5,5.5 200.5,-0.5 194.5,-0.5 194.5,5.5
  pour cut-out: 250.5,5.5 250.5,-0.5 244.5,-0.5 244.5,5.5
  pour cut-out: 300.5,5.5 300.5,-0.5 294.5,-0.5 294.5,5.5
  pour cut-out: 300.5,49.25 300.5,43.25 294.5,43.25 294.5,49.25
  pour cut-out: 300.5,95.5 300.5,89.5 294.5,89.5 294.5,95.5
  pour cut-out: 300.5,145.5 300.5,139.5 294.5,139.5 294.5,145.5
  pour cut-out: 250.5,145.5 250.5,139.5 244.5,139.5 244.5,145.5
  pour cut-out: 209.5,24 209.5,18 203.5,18 203.5,24
  pour cut-out: 240,24 240,18 234,18 234,24
  pour cut-out: 5.5,24 5.5,18 -0.5,18 -0.5,24
  pour cut-out: 50.5,24 50.5,18 44.5,18 44.5,24
  pour cut-out: 85,24 85,18 79,18 79,24

## Silkscreen, mask and mechanical layers (free items; w line width, h text height)
Top Overlay:
  drawing of 6015 lines, arcs and shapes, not listed
  text "HW: rev. 1.001" at 211.5,9.5 h5
  text "FW:" at 211.5,4.5 h5
Bottom Solder:
  region: 0.5,67 0.5,56 11.5,56 11.5,67
  region: 0.5,96 0.5,85 11.5,85 11.5,96
  lines w1: 2,102 86,102 ; 3,77 79,77 206,77 ; 3,81 17,81 ; 14,85 206,85 ; 14,89 206,89 ; 14,93 206,93 ; 20,52 74,52 ; 20,56 74,56 ; 20,60 74,60 ; 20,69 203,69 ; 20,73 206,73 ; 84,81 206,81
Outline:
  the board outline again, w0.2